# Altium PCB 3-as-manufactured.PcbDoc (part 7 of 16)
Units mil, origin at the board's own origin, x right, y up, seen from the top; angles counter-clockwise.
Board outline 4130.55 x 4250 mil, 8 copper layers (L1_TOP, L2_GND, L3_INT, L4_PWR, L5_PWR, L6_INT, L7_GND, L8_BOT), stack 61 mil thick; 584 components, 489 nets, 2229 pads, 1894 vias.
Unrouted connection lines stored in the file: 4.
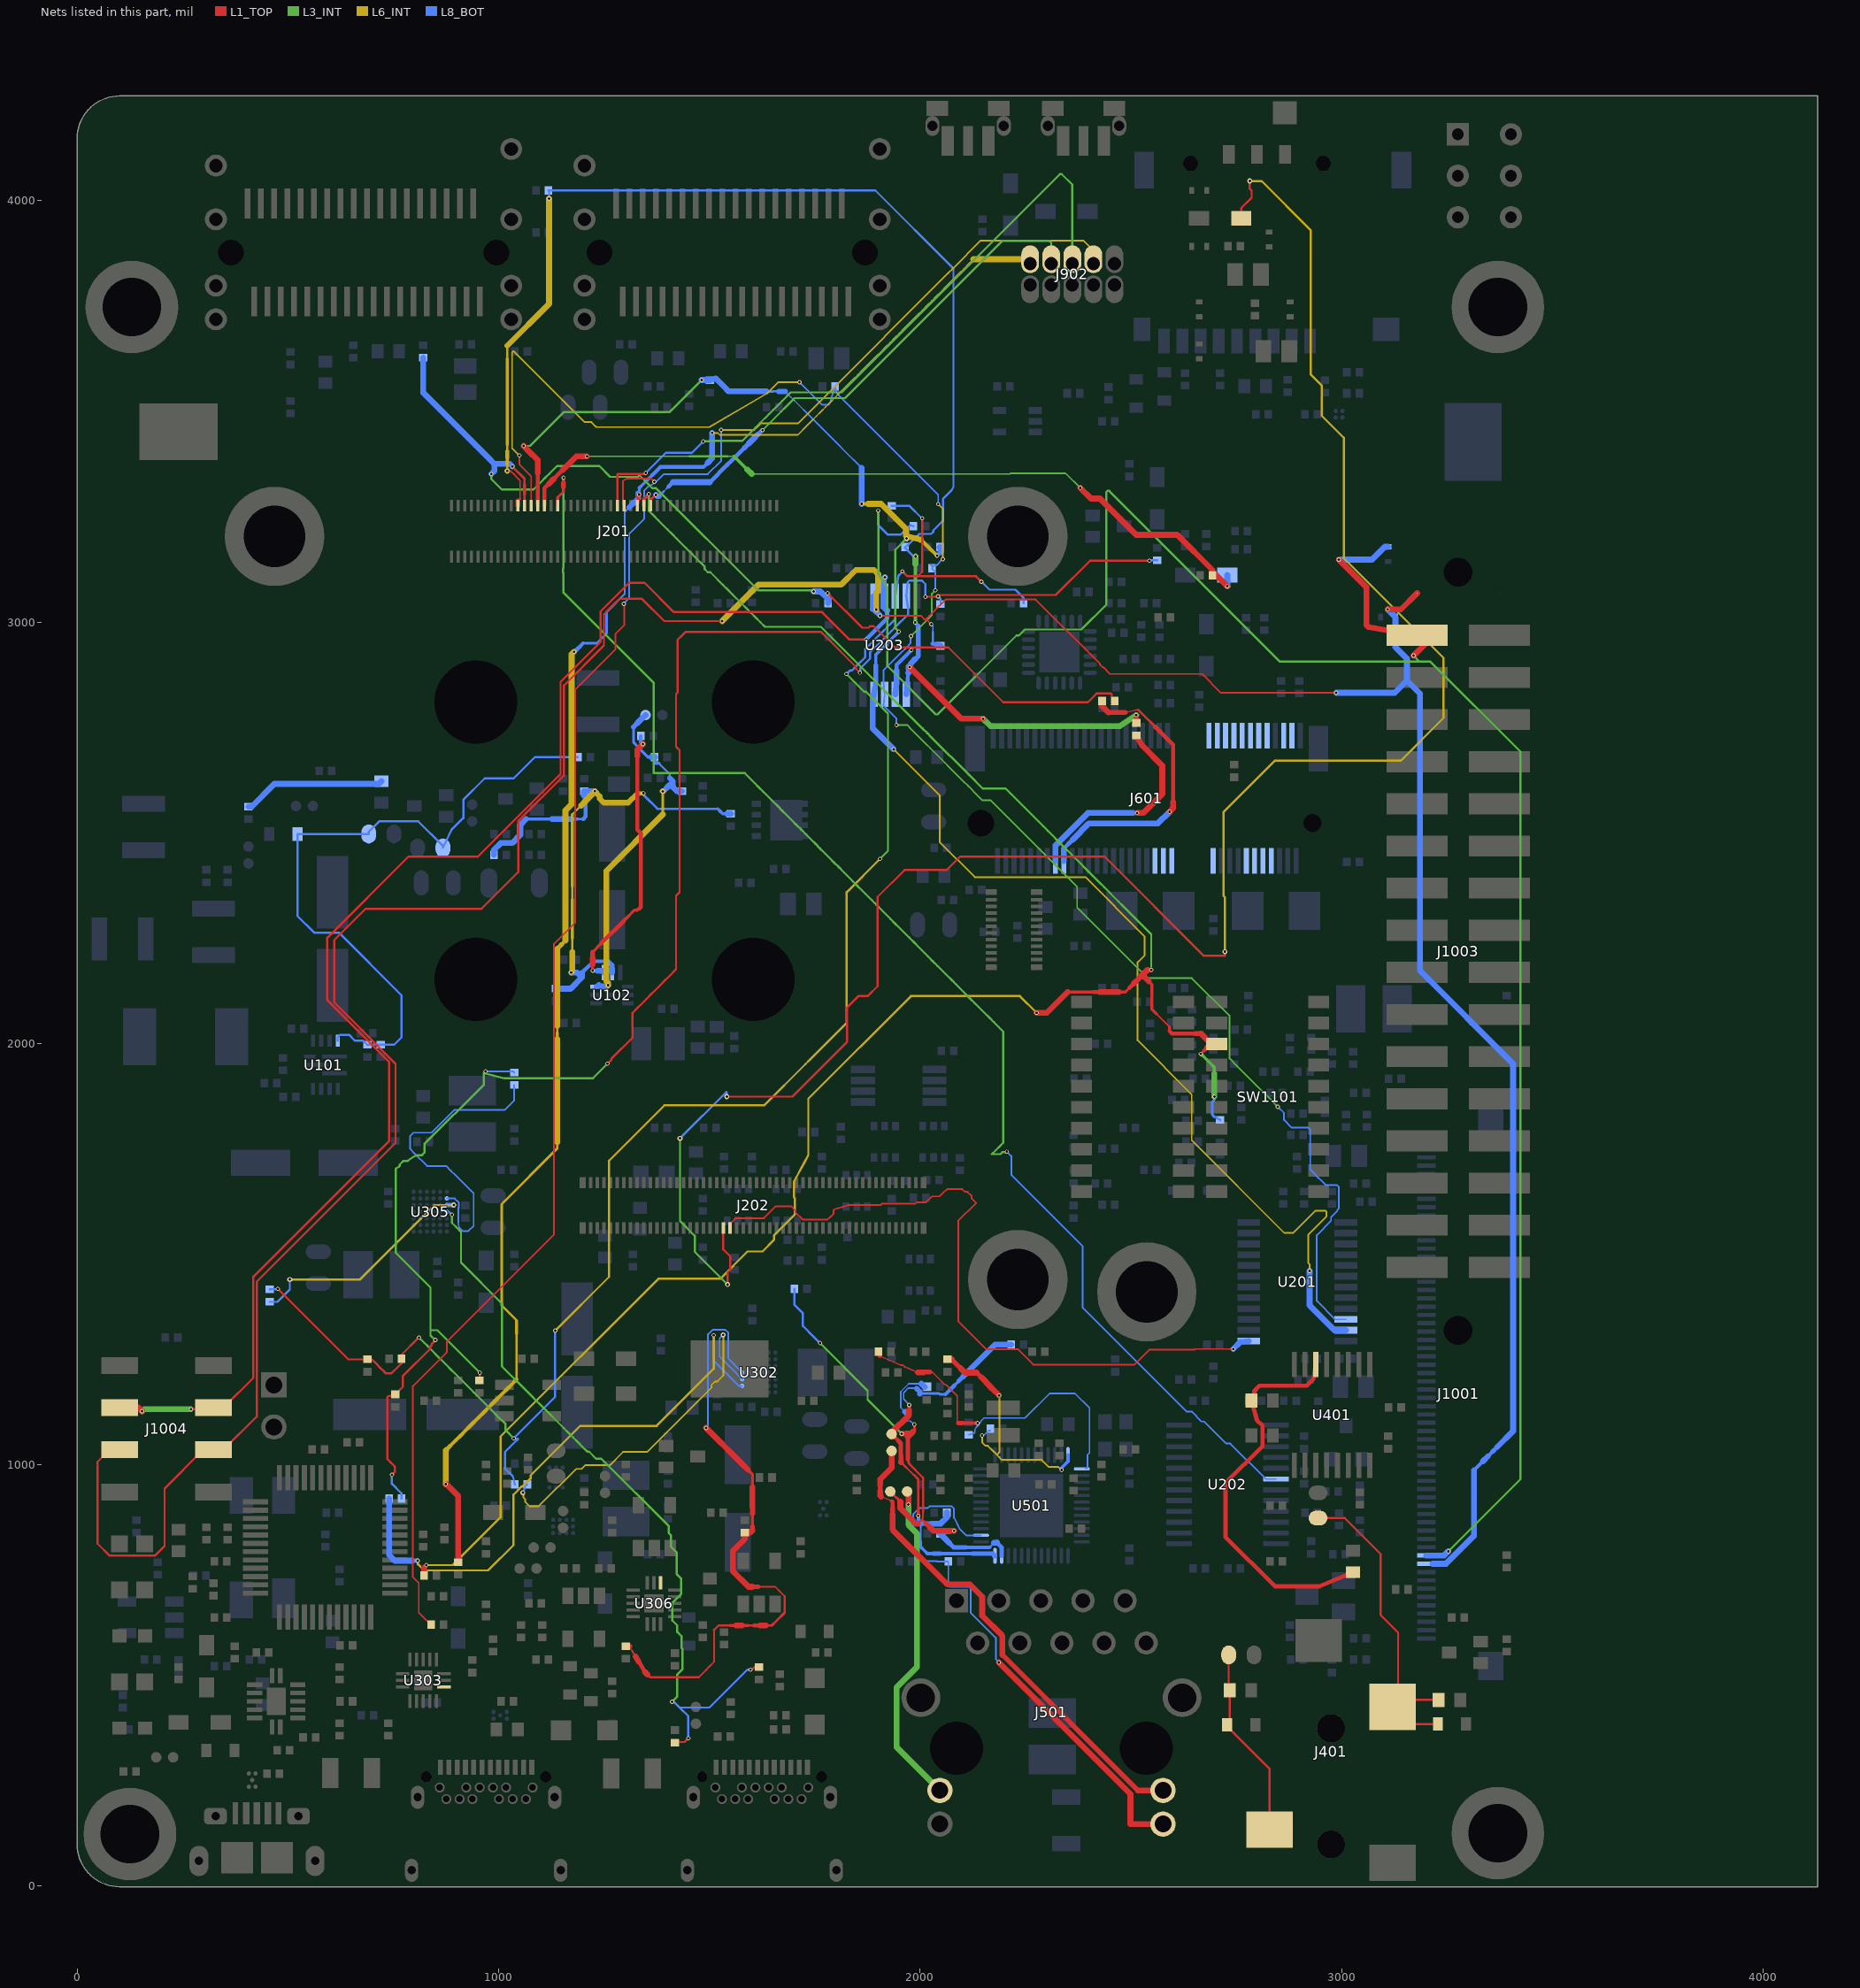
[diagram p13: the nets of this part, all layers, seen from the top]

## Via types
v1: diameter 10, hole 5.9, L1_TOP to L8_BOT, tented both sides, 1703 vias
v2: diameter 12, hole 5.9, L1_TOP to L8_BOT, tented both sides, 110 vias
v3: diameter 10, hole 6, L1_TOP to L8_BOT, tented both sides, 69 vias
v4: diameter 12, hole 6, L1_TOP to L8_BOT, tented both sides, 12 vias

## Nets (pads, with @x,y where several pads share a name; then routed paths per layer and width w, separated by ;. In a path a pad name is that pad's centre, name@x,y a point inside that pad or via, vN(x,y) a via of type N, cw(c..) or ccw(c..) an arc to the next point about the centre after c; other vN are vias at no path point) (continued)
I2C2_SCL: J201.22 R201.2 R631.2 R810.2 U203.2 | length 3574.1
  L1_TOP w3.5: 1050.63,3292.83 1050.63,3336.04
  L1_TOP w3.83: v1(1020.14,3358.83) 1027.84,3358.83 1035.44,3351.23 1043.04,3343.64 1050.63,3336.04
  L1_TOP w4.85: J201.22@1045.3,3287.49 1050.63,3292.83
  L1_TOP w8.94: 2512.43,2770.57 v1(2512.43,2779.64)
  L1_TOP w10.99: J201.22@1045.3,3276.42 J201.22@1045.3,3287.49
  L1_TOP w14.05: v1(1975.11,2893.12) 2097.4,2770.83 v1(2149.11,2770.83) ; 2512.43,2770.57 2512.43,2761.49 R631.2@2512.8,2761.11
  L3_INT w8.94: v1(1988,2999.17) 1988.2,2999.37 1988.2,3000.2 1988.4,3000.4 1988.4,3137.9
  L3_INT w14.05: 1988.4,3137.9 1988.4,3155.4 v1(1989,3156) ; v1(2149.11,2770.83) 2166.47,2753.47 2474.11,2753.47 v1(2512.43,2779.64)
  L6_INT w4.85: v1(1020.14,3358.83) 1020.15,3374.49 ; 1020.15,3405.79 1020.15,3421.44 ; 1020.15,3624.9 1020.15,3656.2
  L6_INT w6.9: 1020.15,3374.49 1020.15,3390.14
  L6_INT w7.92: 1020.15,3421.44 1020.15,3499.69 1020.15,3624.9
  L6_INT w8.94: 1020.15,3390.14 1020.15,3405.79
  L6_INT w14.05: 1020.15,3656.2 1119.21,3755.26 v1(1119.21,4005.05)
  L8_BOT w5: v1(1119.21,4005.05) 1119.21,4023.01 R810.2@1117.53,4024.67 1119.49,4024.69 1893.47,4024.67 2078.96,3839.18 2078.96,3321.35 2074.63,3313.27 2054,3292.64 2054,3240.46 2030.81,3217.27 2030.81,3214.27 2025.83,3209.29 1997.68,3209.29 1970.96,3182.58 1970.44,3182.58 R201.2@1963.55,3177.99 1963.54,3176.99 1983.58,3156.96 1988.04,3156.96 v1(1989,3156)
  L8_BOT w8.94: U203.2@1969.21,2853.01 1970.42,2865 1971.87,2879.55 ; v1(1988,2999.17) 1988,2998.88 1995.66,2991.22 1995.66,2990.64
  L8_BOT w12.01: 1987.71,2911.91 1995.66,2919.86 1995.66,2990.64
  L8_BOT w14.05: U203.2@1966.81,2829.02 1968.01,2841.01 U203.2@1969.21,2853.01 ; 1971.87,2879.55 1973.55,2881.23 1972.53,2892.89 v1@1972.45,2893.86 ; v1(1975.11,2893.12) 1973.18,2893.12 v1@1972.45,2893.86 ; 1987.71,2911.91 1979.76,2903.96 1973.01,2894.64 v1@1972.45,2893.86
I2C2_SCL_3V3: R202.2 R302.1 R305.1 R309.1 R311.1 R612.1 U203.13 | length 4302.5
  L1_TOP w5: v1(746.4,976.58) 752.98,983.15 752.98,996.31 751.54,997.75 743.53,1005.76 735.51,1013.78 735.51,1160.23 737.59,1162.31 746,1164.83 R302.1@754.41,1167.36 772.63,1185.59 772.63,1211.27 836.5,1275.13 836.5,1279.88 840.7,1284.08 840.7,1286.7 849.69,1295.69 v1(849.69,1296.31) ; R309.1@953.47,1200.56 954.87,1201.99 v1(954.87,1218.97) ; v1(1258,1952) 1267.26,1961.26 1267.26,1963.95 1317.38,2014.07 1317.38,2072.74 1328.22,2083.59 1339.07,2094.43 1349.91,2105.28 1360.76,2116.12 1371.6,2126.96 1382.45,2137.81 1393.29,2148.65 1404.14,2159.5 1420.67,2176.03 1420.67,2350.67 1429,2359 1429,2696.25 1420.67,2704.58 1420.67,2829.52 1424.36,2833.2 1424.36,2958.14 1434.33,2968.11 1442.83,2976.61 1580.84,2976.61 1764.85,2976.61 1775.17,2966.29 1847.45,2894.01 1847.45,2889.55 v1(1857,2880) ; v1(2012.21,3060.38) 2037.51,3060.38 v1@2038.06,3060.03 ; v1(2041.97,3061.49) 2040.51,3060.03 v1@2038.06,3060.03 ; v1(2543.77,3145.86) 2465.64,3145.86 2403.14,3145.86 2321.67,3064.4 2259.32,3064.4 2134.61,3064.4 2041.08,3064.4 2040.01,3062.85 v1@2038.06,3060.03
  L3_INT w5: v1(849.69,1296.31) 848.91,1296.31 837.96,1307.26 837.96,1319.59 ; v1(954.87,1218.97) 854.26,1319.59 837.96,1319.59 ; 964.6,1929.67 964.6,1902.6 823.5,1761.5 823.5,1744.92 823.5,1741.24 816.76,1734.5 804.32,1734.5 802.77,1733.98 785.05,1722.33 783.71,1721.51 782.3,1721.51 773.93,1721.51 765.02,1712.59 765.02,1709.93 762.76,1707.68 757.6,1704.29 755.34,1702.03 755.34,1700.11 755.34,1503.42 837.96,1420.8 837.96,1319.59 ; 964.62,1929.67 967.47,1928.96 1012.25,1917.82 1013.45,1917.68 1223.68,1917.68 v1(1258,1952) ; 964.66,1929.67 v1(968.64,1933.65)
  L8_BOT w5: v1(746.4,976.58) 746.4,955.06 769.15,932.32 R305.1@769.17,920.18 ; v1(968.64,1933.65) 1033.8,1933.65 R311.1@1036.41,1931.04 ; v1(1857,2880) 1857.96,2880.96 1857.96,2890.41 1881.31,2913.77 1881.31,2928.57 1891.31,2938.57 1921.32,2968.57 1931.32,2978.57 1941.32,2988.57 1971.32,3018.57 1971.32,3032.01 U203.13@1966.81,3062.02 1970.09,3094.69 1974.25,3098.86 2003.53,3098.86 2012.2,3090.19 v1(2012.21,3060.38) ; v1(2041.97,3061.49) 2048.31,3055.16 R202.2@2048.32,3043.34 ; v1(2543.77,3145.86) 2544.54,3146.63 R612.1@2562.56,3146.63
I2C2_SDA: J201.24 R205.2 R630.2 R808.2 U203.3 | length 2452.3
  L1_TOP w4.85: J201.24@1061.04,3289.26 1061.04,3302.09
  L1_TOP w5: v1(1780.13,3068.88) 1862.26,2986.75 1877.71,2986.75 1881.32,2990.36 1889.69,2990.36 1939.84,2940.21 1985.27,2940.21 ; v1(1978.8,2933.74) 1985.27,2940.21 ; R630.2@2461.2,2812.75 2454.7,2819.26 2454.7,2828.33 2451.77,2831.25 2419.16,2831.25 2414.18,2826.28 2414.18,2826.18 2398,2810 2197,2810 2066.79,2940.21 1985.27,2940.21
  L1_TOP w5.87: v1(1032.34,3369.31) 1061.04,3340.61 1061.04,3327.77 ; J201.24@1061.03,3276.42 J201.24@1061.04,3289.26
  L1_TOP w6.9: 1061.04,3302.09 1061.04,3327.77
  L3_INT w5: v1(982.28,3351.59) 982.28,3339.78 1007.56,3314.5 1082.16,3314.5 1091.49,3323.83 1100.82,3333.15 1110.15,3342.48 1119.47,3351.81 1128.8,3361.13 1138.12,3370.46 1238.85,3370.46 1264.38,3344.93 1330.04,3344.92 1333.45,3348.33 1334,3348.33 1354.32,3328.01 1364.48,3317.85 1373.41,3317.85 1615.51,3075.75 1744.5,3075.75 v1(1747.24,3073.02)
  L8_BOT w5.87: 1773.06,3062.99 R205.2@1777.07,3054.07
  L8_BOT w7.92: R205.2@1777.07,3054.07 R205.2@1781.07,3045.18
  L8_BOT w8.94: v1(1780.13,3068.88) 1782.7,3066.31 1782.7,3057.53 ; 1944.2,2885.77 1944.2,2899.14 v1(1978.8,2933.74)
  L8_BOT w13.03: 1025.82,3375.83 v1(1032.34,3369.31)
  L8_BOT w14.05: R808.2@820.76,3628.07 820.75,3544.47 975.33,3389.88 989.39,3375.83 ; v1(982.28,3351.59) 989.39,3358.71 989.39,3375.83 ; 1025.82,3375.83 989.39,3375.83 ; v1(1747.24,3073.02) 1763.03,3073.02 1773.06,3062.99 ; R205.2@1781.09,3045.17 1782.7,3048.75 1782.7,3057.53 ; U203.3@1941.21,2829.02 1944.2,2859.02 1944.2,2885.77
I2C2_SDA_3V3: R206.2 R303.1 R308.1 R310.1 R312.1 R613.1 U203.12 | length 4174.2
  L1_TOP w5: v1(475.46,1417.92) 488.67,1404.71 643,1250.38 R310.1@688.06,1250.37 698.77,1250.37 708.64,1240.5 718.51,1230.63 728.39,1220.76 731.67,1217.47 745.57,1217.47 759.1,1231 769.15,1241.06 769.15,1261.44 809.75,1302.04 v1(810.72,1302.04) ; v1(1957.5,3120.63) 1963.43,3114.71 1969.36,3108.78 1994.06,3108.78 ; v1(2005,3246.79) 2005,3119.72 2003.73,3118.44 1994.06,3108.78 ; v1(2145.27,3096.15) 2132.65,3108.78 1994.06,3108.78
  L3_INT w5: v1(810.72,1302.04) 821.53,1291.23 832.34,1280.42 843.14,1269.61 853.95,1258.8 875.57,1237.19 886.38,1226.38 897.18,1215.57 918.8,1193.96 929.61,1183.15 940.42,1172.34 951.22,1161.53 972.84,1139.92 983.65,1129.11 994.46,1118.3 1016.07,1096.68 1016.07,1082.28 v1(1035.34,1063) ; v1(1825,2877) 1866.87,2835.13 1871.31,2835.13 1902.63,2803.81 1913.06,2793.38 1923.5,2782.94 1923.5,2705.38 1923.5,2643.32 1923.5,2534.73 1923.5,2457.17 v1(1904.55,2438.22)
  L6_INT w5: v1(1134.07,1318.6) 1261.5,1446.03 ; 1261.51,1446.05 1261.51,1721.82 1392.8,1853.11 1629.52,1853.11 1727.53,1951.12 1738.42,1962.01 1749.31,1972.9 1825.53,2049.13 1825.53,2142.15 1825.53,2266.18 1825.53,2359.21 v1(1904.55,2438.22)
  L8_BOT w5: R312.1@455.82,1416.38 473.94,1416.4 v1(475.46,1417.92) ; R308.1@1038.24,953.38 1033.1,973.15 1014.6,991.65 1014.6,1030.48 1024.99,1040.87 1035.38,1051.26 1045.77,1061.65 1045.77,1061.72 1036.63,1061.72 v1(1035.34,1063) 1133.79,1161.45 v1@1133.79,1318.31 ; v1(1825,2877) 1833.26,2885.26 1837.95,2885.26 1843.52,2890.83 1852.23,2899.54 1869.65,2916.96 1869.65,2936.29 1879.87,2946.52 1890.09,2956.74 1910.53,2977.18 1920.76,2987.4 1930.98,2997.62 1941.2,3007.85 U203.12@1941.21,3062.02 ; R206.2@1932.2,3275.76 1974.97,3275.77 2003.95,3246.79 v1(2005,3246.79) ; U203.12@1941.21,3062.02 1948.51,3110.78 1957.5,3119.78 v1(1957.5,3120.63) ; v1(2145.27,3096.15) 2154.4,3087.02 2164.28,3077.15 2225.7,3077.15 2245.55,3057.3 R613.1@2245.55,3045.18
I2C3_SCL: J201.26 R203.2 R809.2 U201.22 U203.4 | length 4338.9
  L1_TOP w4: v1(1048.69,3395.66) 1048.69,3374.52 1058.06,3365.15 1067.42,3355.79 1076.79,3346.42 J201.26@1076.78,3276.42
  L3_INT w4: v1(1943.75,2755.89) 1968.75,2755.89 1979.89,2744.75 1991.02,2733.61 2013.3,2711.33 2024.44,2700.19 2057.86,2666.77 2069,2655.63 2091.28,2633.35 2102.42,2622.21 2113.56,2611.07 2135.84,2588.79 2146.98,2577.65 2166.61,2577.65 2372.21,2372.06 2372.21,2323.03 2540.06,2155.18 2644.58,2155.18 2734,2065.76 2734,1964.3 2748.88,1949.42 2759.96,1938.34 2804.27,1894.04 2815.35,1882.96 2826.42,1871.88 v1(2848.58,1849.73) ; v1(1977.89,2966.71) 2007.74,2996.57 2017.69,3006.52 2027.65,3016.47 2027.65,3067.51 v1(2035.75,3075.61)
  L6_INT w4: v1(1048.69,3395.66) 1040.12,3404.23 1031.56,3412.79 1031.56,3640.26 1034.88,3643.58 1203.75,3474.72 1219.8,3474.72 1230.35,3464.17 1231.53,3463 1499.27,3463 1500.2,3463.54 1637.85,3543.53 1663.85,3569.53 v1(1713.43,3569.53) ; v1(2042.5,3280.34) 2042.72,3280.34 2053.46,3269.61 v1(2053.46,3149.75)
  L8_BOT w4: v1(1713.43,3569.53) 1720.36,3562.59 1727.3,3555.66 1737.29,3545.67 1747.28,3535.68 1767.26,3515.7 1781.94,3515.7 1785.49,3519.25 1789.54,3532.79 1793.6,3546.31 R809.2@1797.66,3559.83 ; R809.2@1797.66,3559.83 1803.18,3541.42 ; 1803.18,3541.41 2042.72,3301.87 2042.72,3280.56 v1(2042.5,3280.34) ; v1(1943.75,2755.89) 1943.75,2771.28 1912.92,2802.11 U203.4@1915.61,2829.02 1914.11,2844.02 1912.61,2859.02 1912.61,2885.5 1923.41,2896.3 1955.81,2928.7 1966.6,2939.5 1977.4,2950.29 1977.4,2966.22 v1(1977.89,2966.71) ; R203.2@2025.28,3134.83 R203.2@2028.07,3134.83 ; R203.2@2028.07,3128.19 2028.07,3127.19 2034.75,3120.51 2035.75,3120.51 v1(2035.75,3075.61) ; R203.2@2028.07,3131.16 2030.04,3131.16 2033.71,3134.83 2038.54,3134.83 v1(2053.46,3149.75) ; v1(2848.58,1849.73) 2863.23,1835.07 2863.23,1818.56 2880.97,1800.82 2920.43,1800.82 2925.6,1795.66 2925.6,1700.84 2934.72,1691.73 2943.84,1682.61 2952.96,1673.49 2962.08,1664.37 2988.86,1664.37 2993.04,1660.19 2993.04,1607.9 2989.68,1604.54 2989.68,1602.39 2984.27,1596.98 2974.93,1587.63 2974.93,1578.93 2941,1545 2941,1388.95 2984.69,1345.26 U201.22@3010.29,1345.26
I2C3_SCL_3V3: D1001.C J1001.50 J1003.5 J1004.3 J1004.4 R204.2 U203.11 | length 8878
  L1_TOP w5: v1(269.34,1132.2) 319.3,1132.2 322.89,1135.79 346.88,1135.79 417.76,1206.67 417.76,1446.76 740,1769 740,1955.68 593,2102.68 593,2251.1 785.33,2443.43 950.2,2443.43 1146.5,2639.73 1146.5,2858.24 1241.49,2953.23 1241.49,3025.49 1309.29,3093.29 1345.71,3093.29 1415.31,3023.69 1767.29,3023.69 1832.29,2958.69 v1(1871.38,2958.69)
  L1_TOP w14.05: J1004.4@100.37,1135.79 144.98,1135.79 v1(153.42,1127.35) ; v1(2993.57,3148.61) 3058.66,3083.52 3058.66,2993.39 3063.29,2988.76 J1003.5@3179.19,2968.79 3202.75,2952.53 v1(3170.67,2920.46)
  L3_INT w5: v1(1900.65,3264.7) 1900.65,3113.44 1903.33,3110.76 1903.99,3109.95 1904.31,3109.45 1909.18,3101.93 ; v1(1916.3,3106.5) 1916.23,3106.5 1911.66,3101.93 1909.18,3101.93 ; v1(3170.67,2920.46) 3184.83,2906.3 ; v1(3252.98,794.68) 3424.31,966 3424.31,2692.75 3210.75,2906.3 3184.83,2906.3 ; 1909.18,3101.93 1909.66,3101.19 1921.79,3082.46 1921.79,2896.25 2036.99,2781.05 2041.13,2781.05 2228.4,2968.32 2233.99,2968.32 2248.29,2982.61 2382.61,2982.61 2441.5,3041.5 2441.5,3308.5 2444.43,3311.43 2448.57,3311.43 2853.7,2906.3 3184.83,2906.3
  L3_INT w14.05: v1(153.42,1127.35) 158.27,1132.2 v1(269.34,1132.2)
  L8_BOT w5: 1900.59,3230.11 1923.16,3207.54 1953.44,3207.54 1976.43,3230.53 R204.2@1983.79,3227.79 ; 1900.59,3230.12 1900.54,3230.16 1900.54,3264.6 v1(1900.65,3264.7)
  L8_BOT w8.94: v1(1871.38,2958.69) v1@1871.38,2958.87
  L8_BOT w9.96: v1@1871.38,2958.87 1881.99,2969.48 1892.6,2980.08 1903.21,2990.69 1913.81,3001.3 1921.59,3009.07 1921.59,3027.72
  L8_BOT w14.05: v1(1916.3,3106.5) 1913.04,3103.24 1913.04,3036.27 1921.59,3027.72 ; v1(2993.57,3148.61) 3072.25,3148.61 3102.75,3179.11 D1001.C@3109.98,3179.11 ; J1001.50@3200.73,784.93 3243.23,784.92 v1(3252.98,794.68)
I2C3_SDA: J201.28 R207.2 R807.2 U201.23 U203.5 | length 4198.1
  L1_TOP w9.96: J201.28@1092.53,3276.42 1092.54,3353.72
  L1_TOP w14.05: v1(1058.78,3418.4) 1070.03,3407.15 1092.54,3384.64 1092.54,3353.72
  L3_INT w5: v1(1058.78,3418.4) 1074.4,3418.4 1155,3499 1405.59,3499 v1(1481.55,3574.96) ; v1(1949.09,2977.52) 1941.13,2985.48 1941.13,3172.06 v1(1967.81,3198.74)
  L6_INT w4: v1(1936.81,2698.41) 2046.43,2588.79 2046.43,2477.57 2129.3,2394.7 2391.93,2394.7 2532.73,2253.9 2532.73,2209.7 2515.93,2192.9 2515.93,2007.38 2644.16,1879.14 2644.16,1868.53 2644.17,1840.38 2644.16,1770.36 2864.18,1550.34 2884.87,1550.34 2937.5,1602.97 2961.97,1602.97 2964.31,1600.62 2964.31,1590.31 2920.94,1546.94 2920.94,1478.59 2924.03,1475.5 v1(2924.03,1460.18)
  L6_INT w7.92: v1(1860.81,3280.73) 1876.3,3280.73
  L6_INT w8.94: 2001.58,3195.8 2011.11,3186.27 2020.64,3176.75 v1(2039.7,3157.69)
  L6_INT w14.05: 1876.3,3280.73 1907.29,3280.73 1966.62,3221.4 1966.63,3204.79 ; v1(1967.81,3198.74) 1967.81,3203.61 1966.64,3204.78 ; 2001.58,3195.8 2000.11,3195.8 1969.24,3204.08 1966.64,3204.78
  L8_BOT w3.5: 1679.54,3547.65 1690.2,3536.99 1700.86,3526.32 1743.52,3483.67 1786.17,3441.02 1796.83,3430.36 1807.5,3419.69 1818.16,3409.03 1860.81,3366.38
  L8_BOT w4.85: 1649.78,3547.65 1664.66,3547.65
  L8_BOT w5.87: 1634.9,3547.65 1649.78,3547.65
  L8_BOT w7.92: 1894.52,2897.37 1894.52,2922.95 1904.75,2933.18 1914.98,2943.41 1925.21,2953.64 v1(1949.09,2977.52)
  L8_BOT w9.96: v1(2039.7,3157.69) 2048.26,3166.24
  L8_BOT w10.99: U203.5@1894.52,2859.02 1894.52,2897.37
  L8_BOT w12.01: U203.5@1892.27,2844.02 U203.5@1894.52,2859.02
  L8_BOT w13.03: 1664.66,3547.65 1679.54,3547.65
  L8_BOT w14.05: v1(1481.55,3574.96) 1481.92,3574.59 R807.2@1500.89,3574.59 1514.57,3578.68 1533.42,3559.83 1545.61,3547.65 1634.9,3547.65 ; v1(1860.81,3280.73) 1860.81,3366.38 ; U203.5@1890.01,2829.02 1887.02,2799.02 1887.02,2748.19 v1(1936.81,2698.41) ; U203.5@1890.01,2829.02 U203.5@1892.27,2844.02 ; R207.2@2046.48,3177.99 2048.26,3172.06 2048.26,3166.24 ; v1(2924.03,1460.18) 2924.03,1378.58 2982.94,1319.67 U201.23@3010.29,1319.67
I2C3_SDA_3V3: D1002.C J1001.51 J1003.3 J1004.5 J1004.6 R208.2 U203.10 | length 8318.2
  L1_TOP w4: v1(1904.8,3015.19) 2001.52,3015.19 2011.61,3005.1 ; v1(2026.05,2995.12) 2016.07,3005.1 2011.61,3005.1 ; v1(2987.23,2832.45) 2865.68,2832.45 2713.74,2832.45 2669.05,2877.14 2544.29,2877.14 2466.03,2877.14 2450.37,2877.14 2435,2892.51 2433.18,2892.51 2426.74,2898.96 2426.74,2900.78 2273.76,3053.75 2060.27,3053.75 2050.53,3044.02 2040.8,3034.29 2031.07,3024.56 2021.34,3014.83 2011.61,3005.1
  L1_TOP w5: J1004.6@100.37,1035.79 76.38,1035.79 47.88,1007.29 47.88,813.06 76.59,784.35 183.63,784.35 206.84,807.56 206.84,943.75 298.88,1035.79 346.88,1035.79 425.76,1114.67 425.76,1434.76 755.07,1764.07 755.07,1951.93 609.59,2097.41 609.59,2245.59 683.5,2319.5 958.76,2319.5 1046,2406.74 1046,2527.92 1154.5,2636.42 1154.5,2849.5 1249.49,2944.49 1249.49,3018.49 1286.21,3055.21 1339.86,3055.21 1392.6,3002.47 v1(1530.07,3002.47)
  L1_TOP w14.05: v1(3109.18,3030.44) 3140.84,3030.44 J1003.3@3179.17,3068.78
  L6_INT w14.05: v1(1530.07,3002.47) 1616.99,3089.39 1812.94,3089.39 1847.45,3123.91 1890.29,3123.91 1900.28,3113.92 1900.28,3074.1 1895.84,3069.66 v1(1895.84,3029.84)
  L8_BOT w3.83: v1(2026.05,2995.12) 2030.01,2991.16 2030.01,2977.17
  L8_BOT w4.85: 2030.01,2949.21 2030.01,2977.17
  L8_BOT w8.94: 3313.77,987.03 3335.69,1008.96 ; 3346.66,1019.92 3357.63,1030.89
  L8_BOT w9.96: 1885.18,3029.75 1885.86,3029.75 1885.95,3029.84 1890.99,3029.84 v1@1895.84,3029.84
  L8_BOT w10.99: v1(1904.8,3015.19) v1@1904.8,3016.02 ; 2030.01,2949.21 R208.2@2039.16,2946.46 ; 3357.63,1030.89 3368.59,1041.86
  L8_BOT w13.03: 1897.41,3023.42 v1@1904.8,3016.02
  L8_BOT w14.05: U203.10@1890.01,3062.02 1890.02,3030.81 1890.99,3029.84 1893.41,3027.41 1897.41,3023.42 ; R208.2@2039.16,2946.46 R208.2@2048.32,2943.73 ; v1(2987.23,2832.45) 3126.2,2832.45 3155.11,2861.36 ; v1(3109.18,3030.44) D1002.C@3126.68,3012.95 ; D1002.C@3127.69,3011 3127.69,2940.87 3155.11,2913.46 3155.11,2861.36 ; J1001.51@3215.7,765.24 3247.66,765.24 3313.77,831.34 3313.77,987.03 ; 3335.69,1008.96 3346.66,1019.92 ; 3368.59,1041.86 3407.06,1080.32 3407.06,1951.86 3186.05,2172.87 3186.05,2830.42 3155.11,2861.36
I2C4_SCL: D603.C J201.30 R632.2 | length 1855.9
  L1_TOP w9.96: J201.30@1108.29,3276.42 1108.29,3317.76 1119.13,3328.61 ; 1129.97,3339.45 1140.82,3350.29 1151.66,3361.14
  L1_TOP w14.05: 1119.13,3328.61 1129.97,3339.45 ; 1151.66,3361.14 1173.35,3382.82 1184.19,3393.67 v1(1209.23,3393.67) ; v1(2379.74,3318.86) 2405.42,3293.18 2426.36,3293.18 2512.09,3207.44 2609.74,3207.44 2693.44,3123.74 R632.2@2693.44,3111.58 2702.45,3111.57 v1(2728.83,3085.19)
  L3_INT w3.5: 1600.09,3351.77 2191.05,3351.77 2191.23,3351.95 2212.44,3351.95 2213.75,3353.26 2345.34,3353.26 v1(2379.74,3318.86)
  L3_INT w3.83: v1(1209.23,3393.67) 1330.61,3393.67 1376.13,3393.67 1451.99,3393.67 ; 1543.02,3393.67 1558.19,3393.67
  L3_INT w4.85: 1451.99,3393.67 1543.02,3393.67
  L3_INT w7.92: 1558.19,3393.67 1589.61,3362.25
  L3_INT w14.05: 1589.61,3362.25 1600.08,3351.77
  L8_BOT w14.05: D603.C@2728.68,3111.58 2728.68,3098.47 2728.83,3098.31 v1(2728.83,3085.19)
I2C4_SDA: J201.34 U202.6 | length 3358.9
  L1_TOP w5.87: 1139.78,3296.25 1146.69,3303.16 1153.6,3310.07 1153.6,3320.72
  L1_TOP w6.9: J201.34@1139.78,3276.42 1139.78,3296.25
  L1_TOP w7.92: 1153.6,3331.36 v1(1153.6,3342.81)
  L1_TOP w10.99: 1153.6,3320.72 1153.6,3331.36
  L3_INT w5: v1(1153.6,3342.81) 1153.6,3251.84 1153.6,3128.78 1152.25,3127.43 1152.25,3117.07 1153.6,3115.72 1153.6,3069.89 1367.17,2856.33 1367.17,2641.56 1413.57,2641.54 1521.81,2641.54 1583.67,2641.54 1594.82,2630.39 1605.97,2619.23 1617.13,2608.08 1628.28,2596.93 1639.43,2585.78 1650.58,2574.62 1661.74,2563.47 1672.89,2552.32 1684.04,2541.17 1695.19,2530.01 1706.35,2518.86 1717.5,2507.71 1728.65,2496.56 1739.8,2485.4 1750.96,2474.25 1762.11,2463.1 1773.26,2451.94 1784.42,2440.79 1795.57,2429.64 1806.72,2418.49 1817.87,2407.33 1829.03,2396.18 1840.18,2385.03 1851.33,2373.88 1862.48,2362.72 1873.64,2351.57 1884.79,2340.42 1895.94,2329.27 1907.09,2318.11 1918.25,2306.96 1929.4,2295.81 1940.55,2284.65 1951.71,2273.5 1962.86,2262.35 1974.01,2251.2 1985.16,2240.04 1996.32,2228.89 2007.47,2217.74 2018.62,2206.59 2029.77,2195.43 2040.93,2184.28 2052.08,2173.13 2063.23,2161.98 2074.38,2150.82 2085.54,2139.67 2096.69,2128.52 2107.84,2117.36 2119,2106.21 2130.15,2095.06 2141.3,2083.91 2152.45,2072.75 2163.61,2061.6 2174.76,2050.45 2185.91,2039.3 2197.06,2028.14 2197.06,1950.59 2197.06,1842.01 2197.06,1764.46 2188.04,1755.44 2179.02,1746.41 2170,1737.39 2190.56,1737.38 2195.66,1742.48 2204.6,1742.48 v1(2205.56,1743.44)
  L8_BOT w4: v1(2205.56,1743.44) 2216.06,1732.94 2216.06,1688.41 2385.3,1519.18 2385.3,1373.51 2632.1,1126.7 2643.89,1126.7 2667.76,1102.83 2673.91,1102.83 2725.97,1050.77 2735.75,1050.77 2820.17,966.36 U202.6@2844.15,966.37
ILIM_5V_VBUS1: U303.6
ILIM_5V_VBUS2: U306.6
IOEXP_NINT: J202.44 U201.1 | length 1729.5
  L1_TOP w4: J202.44@1548.53,1561.93 1548.53,1571.92 1555.47,1578.87 1561.9,1585.3 1629.23,1585.3 1657.69,1613.77 1693.61,1613.77 1703.74,1603.64 1703.74,1599.76 1721.22,1582.28 1780.22,1582.28 1786.08,1588.14 1786.7,1588.14 1794,1595.44 1794,1602.89 1794,1603.89 1796.83,1606.72 1802.48,1608.45 1830.11,1616.89 1831.23,1617.06 1906.26,1617.06 1909.22,1620.02 1988.53,1620.02 1991.21,1622.71 2013.64,1622.71 2028.09,1637.16 2046.3,1637.16 2054.27,1645.13 2063.63,1654.48 2099.84,1654.48 2106.29,1648.03 2112.05,1648.03 2122.03,1638.05 2122.03,1632.29 2132.55,1621.77 ; 2132.54,1621.75 2090.32,1579.53 2090.32,1534.75 2090.32,1340.74 2101.35,1329.7 2128.83,1302.22 2128.83,1302.01 2145.28,1285.56 2145.49,1285.56 2156.52,1274.53 2231.41,1274.53 2268.1,1237.84 2403.37,1237.84 2508.59,1237.84 2517.52,1246.77 2526.45,1255.7 2535.38,1264.64 2544.32,1273.57 2590.04,1273.57 2651.02,1273.57 2652.45,1275 v1(2743,1275)